# Altium PCB top_1.PcbDoc (part 1 of 5) (continued)
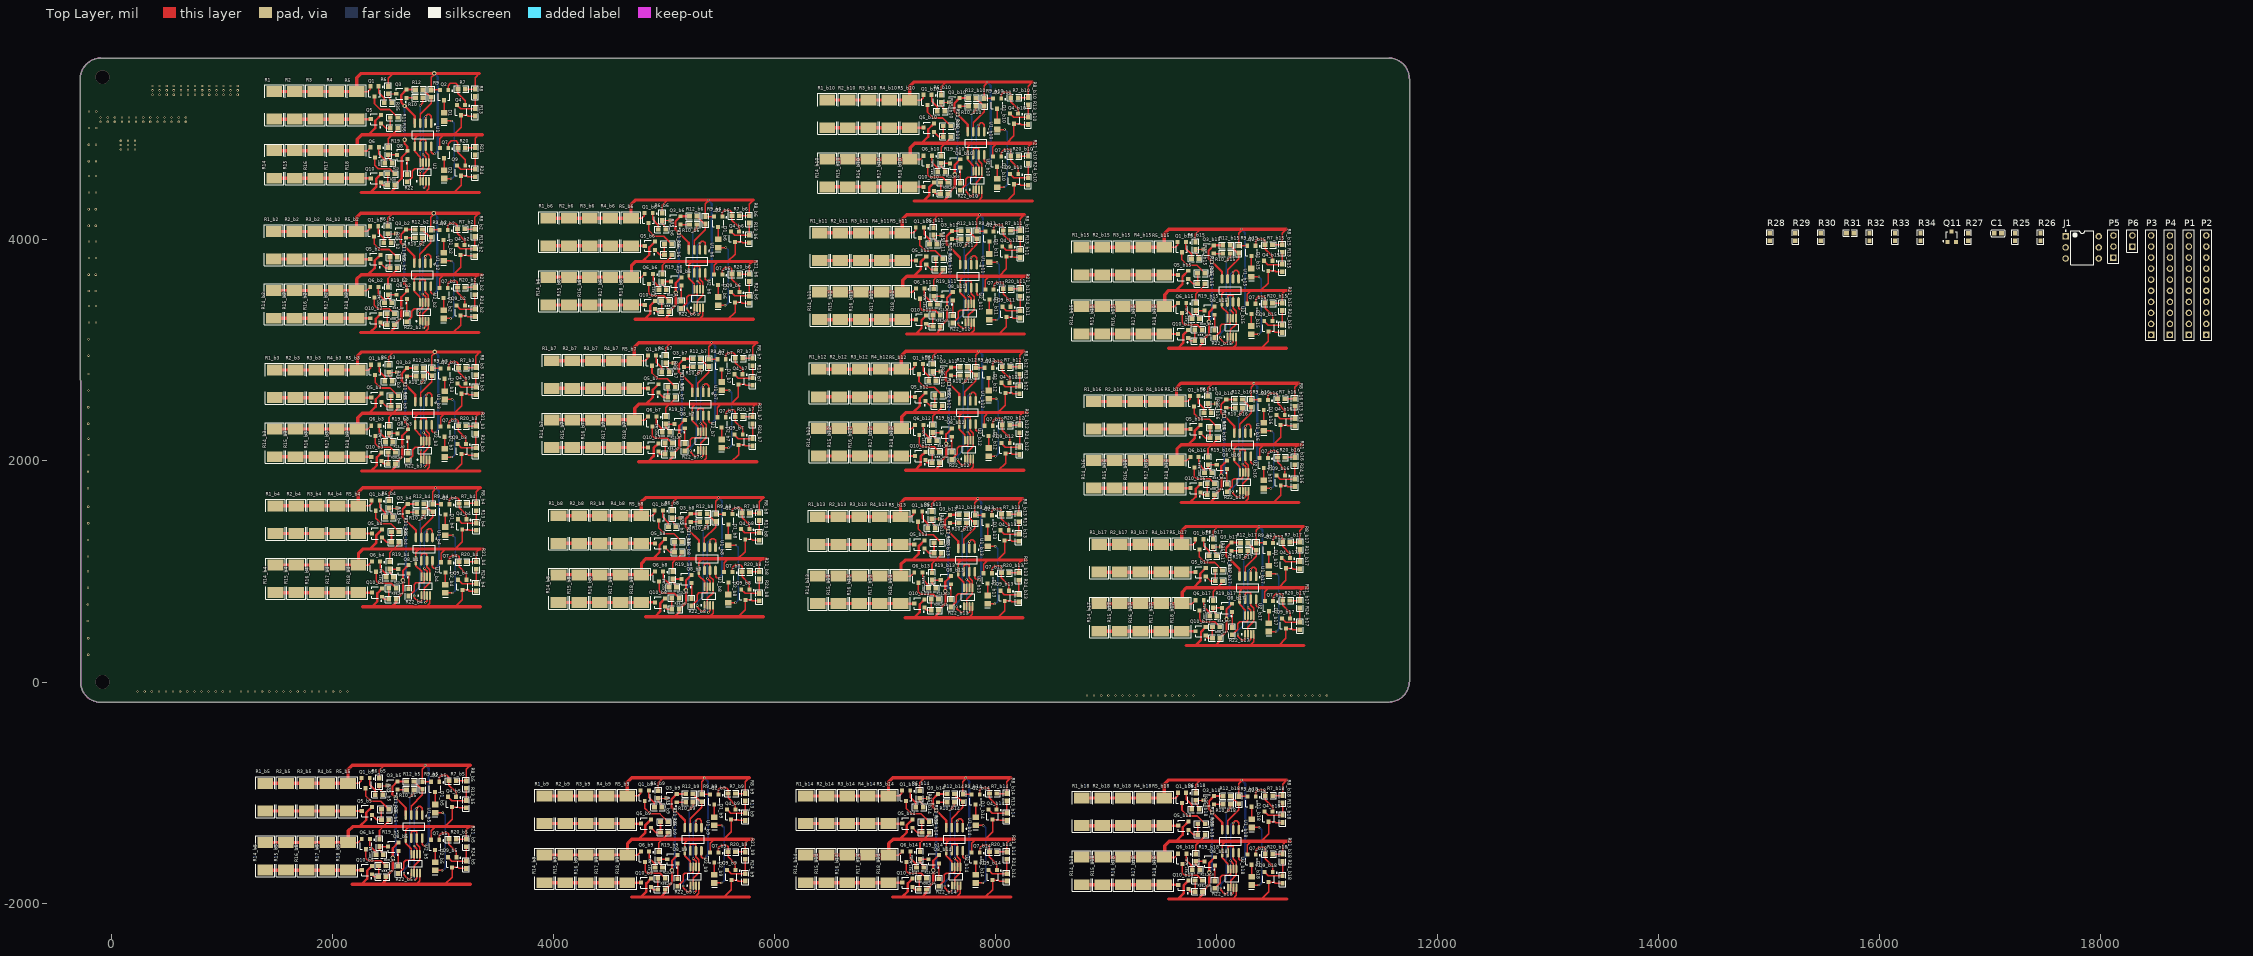
[diagram p0: Top Layer view]
## Components (designator, comment, footprint, x,y, rotation, side; value= is the part's Value field where it differs from the comment) (continued)
Q4_b15 "TL431" SOT23-3 10470,3766 r180 top (schematic designator Q4)
Q4_b16 "TL431" SOT23-3 10582,2371 r180 top (schematic designator Q4)
Q4_b17 "TL431" SOT23-3 10629,1076 r180 top (schematic designator Q4)
Q4_b18 "TL431" SOT23-3 10472,-1218 r180 top (schematic designator Q4)
Q5 "MOSFET-N" SOT23-3 2394,5093 r90 top
Q5_b2 "MOSFET-N" SOT23-3 2390,3827 r90 top (schematic designator Q5)
Q5_b3 "MOSFET-N" SOT23-3 2399,2573 r90 top (schematic designator Q5)
Q5_b4 "MOSFET-N" SOT23-3 2405,1344 r90 top (schematic designator Q5)
Q5_b5 "MOSFET-N" SOT23-3 2313,-1167 r90 top (schematic designator Q5)
Q5_b6 "MOSFET-N" SOT23-3 4874,3947 r90 top (schematic designator Q5)
Q5_b7 "MOSFET-N" SOT23-3 4905,2657 r90 top (schematic designator Q5)
Q5_b8 "MOSFET-N" SOT23-3 4966,1255 r90 top (schematic designator Q5)
Q5_b9 "MOSFET-N" SOT23-3 4839,-1281 r90 top (schematic designator Q5)
Q5_b10 "MOSFET-N" SOT23-3 7398,5016 r90 top (schematic designator Q5)
Q5_b11 "MOSFET-N" SOT23-3 7329,3814 r90 top (schematic designator Q5)
Q5_b12 "MOSFET-N" SOT23-3 7321,2580 r90 top (schematic designator Q5)
Q5_b13 "MOSFET-N" SOT23-3 7313,1245 r90 top (schematic designator Q5)
Q5_b14 "MOSFET-N" SOT23-3 7204,-1281 r90 top (schematic designator Q5)
Q5_b15 "MOSFET-N" SOT23-3 9699,3684 r90 top (schematic designator Q5)
Q5_b16 "MOSFET-N" SOT23-3 9811,2289 r90 top (schematic designator Q5)
Q5_b17 "MOSFET-N" SOT23-3 9858,994 r90 top (schematic designator Q5)
Q5_b18 "MOSFET-N" SOT23-3 9701,-1300 r90 top (schematic designator Q5)
Q6 "MMBT3906" SOT23-3 2385,4793 r180 top
Q6_b2 "MMBT3906" SOT23-3 2381,3527 r180 top (schematic designator Q6)
Q6_b3 "MMBT3906" SOT23-3 2390,2273 r180 top (schematic designator Q6)
Q6_b4 "MMBT3906" SOT23-3 2396,1044 r180 top (schematic designator Q6)
Q6_b5 "MMBT3906" SOT23-3 2304,-1467 r180 top (schematic designator Q6)
Q6_b6 "MMBT3906" SOT23-3 4865,3647 r180 top (schematic designator Q6)
Q6_b7 "MMBT3906" SOT23-3 4896,2357 r180 top (schematic designator Q6)
Q6_b8 "MMBT3906" SOT23-3 4957,955 r180 top (schematic designator Q6)
Q6_b9 "MMBT3906" SOT23-3 4830,-1581 r180 top (schematic designator Q6)
Q6_b10 "MMBT3906" SOT23-3 7389,4716 r180 top (schematic designator Q6)
Q6_b11 "MMBT3906" SOT23-3 7320,3514 r180 top (schematic designator Q6)
Q6_b12 "MMBT3906" SOT23-3 7312,2280 r180 top (schematic designator Q6)
Q6_b13 "MMBT3906" SOT23-3 7304,945 r180 top (schematic designator Q6)
Q6_b14 "MMBT3906" SOT23-3 7195,-1581 r180 top (schematic designator Q6)
Q6_b15 "MMBT3906" SOT23-3 9690,3384 r180 top (schematic designator Q6)
Q6_b16 "MMBT3906" SOT23-3 9802,1989 r180 top (schematic designator Q6)
Q6_b17 "MMBT3906" SOT23-3 9849,694 r180 top (schematic designator Q6)
Q6_b18 "MMBT3906" SOT23-3 9692,-1600 r180 top (schematic designator Q6)
Q7 "MMBT5400" SOT23-3 3012,4786 r180 top
Q7_b2 "MMBT5400" SOT23-3 3008,3520 r180 top (schematic designator Q7)
Q7_b3 "MMBT5400" SOT23-3 3017,2266 r180 top (schematic designator Q7)
Q7_b4 "MMBT5400" SOT23-3 3023,1037 r180 top (schematic designator Q7)
Q7_b5 "MMBT5400" SOT23-3 2931,-1474 r180 top (schematic designator Q7)
Q7_b6 "MMBT5400" SOT23-3 5492,3640 r180 top (schematic designator Q7)
Q7_b7 "MMBT5400" SOT23-3 5523,2350 r180 top (schematic designator Q7)
Q7_b8 "MMBT5400" SOT23-3 5584,948 r180 top (schematic designator Q7)
Q7_b9 "MMBT5400" SOT23-3 5457,-1588 r180 top (schematic designator Q7)
Q7_b10 "MMBT5400" SOT23-3 8016,4709 r180 top (schematic designator Q7)
Q7_b11 "MMBT5400" SOT23-3 7947,3507 r180 top (schematic designator Q7)
Q7_b12 "MMBT5400" SOT23-3 7939,2273 r180 top (schematic designator Q7)
Q7_b13 "MMBT5400" SOT23-3 7931,938 r180 top (schematic designator Q7)
Q7_b14 "MMBT5400" SOT23-3 7822,-1588 r180 top (schematic designator Q7)
Q7_b15 "MMBT5400" SOT23-3 10317,3377 r180 top (schematic designator Q7)
Q7_b16 "MMBT5400" SOT23-3 10429,1982 r180 top (schematic designator Q7)
Q7_b17 "MMBT5400" SOT23-3 10476,687 r180 top (schematic designator Q7)
Q7_b18 "MMBT5400" SOT23-3 10319,-1607 r180 top (schematic designator Q7)
Q8 "MMBT3904" SOT23-3 2633,4770 r90 top
Q8_b2 "MMBT3904" SOT23-3 2629,3504 r90 top (schematic designator Q8)
Q8_b3 "MMBT3904" SOT23-3 2638,2250 r90 top (schematic designator Q8)
Q8_b4 "MMBT3904" SOT23-3 2644,1021 r90 top (schematic designator Q8)
Q8_b5 "MMBT3904" SOT23-3 2552,-1490 r90 top (schematic designator Q8)
Q8_b6 "MMBT3904" SOT23-3 5113,3624 r90 top (schematic designator Q8)
Q8_b7 "MMBT3904" SOT23-3 5144,2334 r90 top (schematic designator Q8)
Q8_b8 "MMBT3904" SOT23-3 5205,932 r90 top (schematic designator Q8)
Q8_b9 "MMBT3904" SOT23-3 5078,-1604 r90 top (schematic designator Q8)
Q8_b10 "MMBT3904" SOT23-3 7637,4693 r90 top (schematic designator Q8)
Q8_b11 "MMBT3904" SOT23-3 7568,3491 r90 top (schematic designator Q8)
Q8_b12 "MMBT3904" SOT23-3 7560,2257 r90 top (schematic designator Q8)
Q8_b13 "MMBT3904" SOT23-3 7552,922 r90 top (schematic designator Q8)
Q8_b14 "MMBT3904" SOT23-3 7443,-1604 r90 top (schematic designator Q8)
Q8_b15 "MMBT3904" SOT23-3 9938,3361 r90 top (schematic designator Q8)
Q8_b16 "MMBT3904" SOT23-3 10050,1966 r90 top (schematic designator Q8)
Q8_b17 "MMBT3904" SOT23-3 10097,671 r90 top (schematic designator Q8)
Q8_b18 "MMBT3904" SOT23-3 9940,-1623 r90 top (schematic designator Q8)
Q9 "TL431" SOT23-3 3166,4628 r180 top
Q9_b2 "TL431" SOT23-3 3162,3362 r180 top (schematic designator Q9)
Q9_b3 "TL431" SOT23-3 3171,2108 r180 top (schematic designator Q9)
Q9_b4 "TL431" SOT23-3 3177,879 r180 top (schematic designator Q9)
Q9_b5 "TL431" SOT23-3 3085,-1632 r180 top (schematic designator Q9)
Q9_b6 "TL431" SOT23-3 5646,3482 r180 top (schematic designator Q9)
Q9_b7 "TL431" SOT23-3 5677,2192 r180 top (schematic designator Q9)
Q9_b8 "TL431" SOT23-3 5738,790 r180 top (schematic designator Q9)
Q9_b9 "TL431" SOT23-3 5611,-1746 r180 top (schematic designator Q9)
Q9_b10 "TL431" SOT23-3 8170,4551 r180 top (schematic designator Q9)
Q9_b11 "TL431" SOT23-3 8101,3349 r180 top (schematic designator Q9)
Q9_b12 "TL431" SOT23-3 8093,2115 r180 top (schematic designator Q9)
Q9_b13 "TL431" SOT23-3 8085,780 r180 top (schematic designator Q9)
Q9_b14 "TL431" SOT23-3 7976,-1746 r180 top (schematic designator Q9)
Q9_b15 "TL431" SOT23-3 10471,3219 r180 top (schematic designator Q9)
Q9_b16 "TL431" SOT23-3 10583,1824 r180 top (schematic designator Q9)
Q9_b17 "TL431" SOT23-3 10630,529 r180 top (schematic designator Q9)
Q9_b18 "TL431" SOT23-3 10473,-1765 r180 top (schematic designator Q9)
Q10 "MOSFET-N" SOT23-3 2394,4558 r90 top
Q10_b2 "MOSFET-N" SOT23-3 2390,3292 r90 top (schematic designator Q10)
Q10_b3 "MOSFET-N" SOT23-3 2399,2038 r90 top (schematic designator Q10)
Q10_b4 "MOSFET-N" SOT23-3 2405,809 r90 top (schematic designator Q10)
Q10_b5 "MOSFET-N" SOT23-3 2313,-1702 r90 top (schematic designator Q10)
Q10_b6 "MOSFET-N" SOT23-3 4874,3412 r90 top (schematic designator Q10)
Q10_b7 "MOSFET-N" SOT23-3 4905,2122 r90 top (schematic designator Q10)
Q10_b8 "MOSFET-N" SOT23-3 4966,720 r90 top (schematic designator Q10)
Q10_b9 "MOSFET-N" SOT23-3 4839,-1816 r90 top (schematic designator Q10)
Q10_b10 "MOSFET-N" SOT23-3 7398,4481 r90 top (schematic designator Q10)
Q10_b11 "MOSFET-N" SOT23-3 7329,3279 r90 top (schematic designator Q10)
Q10_b12 "MOSFET-N" SOT23-3 7321,2045 r90 top (schematic designator Q10)
Q10_b13 "MOSFET-N" SOT23-3 7313,710 r90 top (schematic designator Q10)
Q10_b14 "MOSFET-N" SOT23-3 7204,-1816 r90 top (schematic designator Q10)
Q10_b15 "MOSFET-N" SOT23-3 9699,3149 r90 top (schematic designator Q10)
Q10_b16 "MOSFET-N" SOT23-3 9811,1754 r90 top (schematic designator Q10)
Q10_b17 "MOSFET-N" SOT23-3 9858,459 r90 top (schematic designator Q10)
Q10_b18 "MOSFET-N" SOT23-3 9701,-1835 r90 top (schematic designator Q10)
Q11 "NPN" SOT23-3 16654,4029.46 r0 top
R1 "Res1" 2512 1475,5218 r90 top
R1_b2 "Res1" 2512 1471,3952 r90 top (schematic designator R1)
R1_b3 "Res1" 2512 1480,2698 r90 top (schematic designator R1)
R1_b4 "Res1" 2512 1486,1469 r90 top (schematic designator R1)
R1_b5 "Res1" 2512 1394,-1042 r90 top (schematic designator R1)
R1_b6 "Res1" 2512 3955,4072 r90 top (schematic designator R1)
R1_b7 "Res1" 2512 3986,2782 r90 top (schematic designator R1)
R1_b8 "Res1" 2512 4047,1380 r90 top (schematic designator R1)
R1_b9 "Res1" 2512 3920,-1156 r90 top (schematic designator R1)
R1_b10 "Res1" 2512 6479,5141 r90 top (schematic designator R1)
R1_b11 "Res1" 2512 6410,3939 r90 top (schematic designator R1)
R1_b12 "Res1" 2512 6402,2705 r90 top (schematic designator R1)
R1_b13 "Res1" 2512 6394,1370 r90 top (schematic designator R1)
R1_b14 "Res1" 2512 6285,-1156 r90 top (schematic designator R1)
R1_b15 "Res1" 2512 8780,3809 r90 top (schematic designator R1)
R1_b16 "Res1" 2512 8892,2414 r90 top (schematic designator R1)
R1_b17 "Res1" 2512 8939,1119 r90 top (schematic designator R1)
R1_b18 "Res1" 2512 8782,-1175 r90 top (schematic designator R1)
R2 "Res1" 2512 1662,5218 r90 top
R2_b2 "Res1" 2512 1658,3952 r90 top (schematic designator R2)
R2_b3 "Res1" 2512 1667,2698 r90 top (schematic designator R2)
R2_b4 "Res1" 2512 1673,1469 r90 top (schematic designator R2)
R2_b5 "Res1" 2512 1581,-1042 r90 top (schematic designator R2)
R2_b6 "Res1" 2512 4142,4072 r90 top (schematic designator R2)
R2_b7 "Res1" 2512 4173,2782 r90 top (schematic designator R2)
R2_b8 "Res1" 2512 4234,1380 r90 top (schematic designator R2)
R2_b9 "Res1" 2512 4107,-1156 r90 top (schematic designator R2)
R2_b10 "Res1" 2512 6666,5141 r90 top (schematic designator R2)
R2_b11 "Res1" 2512 6597,3939 r90 top (schematic designator R2)
R2_b12 "Res1" 2512 6589,2705 r90 top (schematic designator R2)
R2_b13 "Res1" 2512 6581,1370 r90 top (schematic designator R2)
R2_b14 "Res1" 2512 6472,-1156 r90 top (schematic designator R2)
R2_b15 "Res1" 2512 8967,3809 r90 top (schematic designator R2)
R2_b16 "Res1" 2512 9079,2414 r90 top (schematic designator R2)
R2_b17 "Res1" 2512 9126,1119 r90 top (schematic designator R2)
R2_b18 "Res1" 2512 8969,-1175 r90 top (schematic designator R2)
R3 "Res1" 2512 1849,5218 r90 top
R3_b2 "Res1" 2512 1845,3952 r90 top (schematic designator R3)
R3_b3 "Res1" 2512 1854,2698 r90 top (schematic designator R3)
R3_b4 "Res1" 2512 1860,1469 r90 top (schematic designator R3)
R3_b5 "Res1" 2512 1768,-1042 r90 top (schematic designator R3)
R3_b6 "Res1" 2512 4329,4072 r90 top (schematic designator R3)
R3_b7 "Res1" 2512 4360,2782 r90 top (schematic designator R3)
R3_b8 "Res1" 2512 4421,1380 r90 top (schematic designator R3)
R3_b9 "Res1" 2512 4294,-1156 r90 top (schematic designator R3)
R3_b10 "Res1" 2512 6853,5141 r90 top (schematic designator R3)
R3_b11 "Res1" 2512 6784,3939 r90 top (schematic designator R3)
R3_b12 "Res1" 2512 6776,2705 r90 top (schematic designator R3)
R3_b13 "Res1" 2512 6768,1370 r90 top (schematic designator R3)
R3_b14 "Res1" 2512 6659,-1156 r90 top (schematic designator R3)
R3_b15 "Res1" 2512 9154,3809 r90 top (schematic designator R3)
R3_b16 "Res1" 2512 9266,2414 r90 top (schematic designator R3)
R3_b17 "Res1" 2512 9313,1119 r90 top (schematic designator R3)
R3_b18 "Res1" 2512 9156,-1175 r90 top (schematic designator R3)
R4 "Res1" 2512 2036,5218 r90 top
R4_b2 "Res1" 2512 2032,3952 r90 top (schematic designator R4)
R4_b3 "Res1" 2512 2041,2698 r90 top (schematic designator R4)
R4_b4 "Res1" 2512 2047,1469 r90 top (schematic designator R4)
R4_b5 "Res1" 2512 1955,-1042 r90 top (schematic designator R4)
R4_b6 "Res1" 2512 4516,4072 r90 top (schematic designator R4)
R4_b7 "Res1" 2512 4547,2782 r90 top (schematic designator R4)
R4_b8 "Res1" 2512 4608,1380 r90 top (schematic designator R4)
R4_b9 "Res1" 2512 4481,-1156 r90 top (schematic designator R4)
R4_b10 "Res1" 2512 7040,5141 r90 top (schematic designator R4)
R4_b11 "Res1" 2512 6971,3939 r90 top (schematic designator R4)
R4_b12 "Res1" 2512 6963,2705 r90 top (schematic designator R4)
R4_b13 "Res1" 2512 6955,1370 r90 top (schematic designator R4)
R4_b14 "Res1" 2512 6846,-1156 r90 top (schematic designator R4)
R4_b15 "Res1" 2512 9341,3809 r90 top (schematic designator R4)
R4_b16 "Res1" 2512 9453,2414 r90 top (schematic designator R4)
R4_b17 "Res1" 2512 9500,1119 r90 top (schematic designator R4)
R4_b18 "Res1" 2512 9343,-1175 r90 top (schematic designator R4)
R5 "Res1" 2512 2223,5218 r90 top
R5_b2 "Res1" 2512 2219,3952 r90 top (schematic designator R5)
R5_b3 "Res1" 2512 2228,2698 r90 top (schematic designator R5)
R5_b4 "Res1" 2512 2234,1469 r90 top (schematic designator R5)
R5_b5 "Res1" 2512 2142,-1042 r90 top (schematic designator R5)
R5_b6 "Res1" 2512 4703,4072 r90 top (schematic designator R5)
R5_b7 "Res1" 2512 4734,2782 r90 top (schematic designator R5)
R5_b8 "Res1" 2512 4795,1380 r90 top (schematic designator R5)
R5_b9 "Res1" 2512 4668,-1156 r90 top (schematic designator R5)
R5_b10 "Res1" 2512 7227,5141 r90 top (schematic designator R5)
R5_b11 "Res1" 2512 7158,3939 r90 top (schematic designator R5)
R5_b12 "Res1" 2512 7150,2705 r90 top (schematic designator R5)
R5_b13 "Res1" 2512 7142,1370 r90 top (schematic designator R5)
R5_b14 "Res1" 2512 7033,-1156 r90 top (schematic designator R5)
R5_b15 "Res1" 2512 9528,3809 r90 top (schematic designator R5)
R5_b16 "Res1" 2512 9640,2414 r90 top (schematic designator R5)
R5_b17 "Res1" 2512 9687,1119 r90 top (schematic designator R5)
R5_b18 "Res1" 2512 9530,-1175 r90 top (schematic designator R5)
R6 "Res1" 0603-1 2506,5356.46 r90 top
R6_b2 "Res1" 0603-1 2502,4090.46 r90 top (schematic designator R6)
R6_b3 "Res1" 0603-1 2511,2836.46 r90 top (schematic designator R6)
R6_b4 "Res1" 0603-1 2517,1607.46 r90 top (schematic designator R6)
R6_b5 "Res1" 0603-1 2425,-903.54 r90 top (schematic designator R6)
R6_b6 "Res1" 0603-1 4986,4210.46 r90 top (schematic designator R6)
R6_b7 "Res1" 0603-1 5017,2920.46 r90 top (schematic designator R6)
R6_b8 "Res1" 0603-1 5078,1518.46 r90 top (schematic designator R6)
R6_b9 "Res1" 0603-1 4951,-1017.54 r90 top (schematic designator R6)
R6_b10 "Res1" 0603-1 7510,5279.46 r90 top (schematic designator R6)
R6_b11 "Res1" 0603-1 7441,4077.46 r90 top (schematic designator R6)
R6_b12 "Res1" 0603-1 7433,2843.46 r90 top (schematic designator R6)
R6_b13 "Res1" 0603-1 7425,1508.46 r90 top (schematic designator R6)
R6_b14 "Res1" 0603-1 7316,-1017.54 r90 top (schematic designator R6)
R6_b15 "Res1" 0603-1 9811,3947.46 r90 top (schematic designator R6)
R6_b16 "Res1" 0603-1 9923,2552.46 r90 top (schematic designator R6)
R6_b17 "Res1" 0603-1 9970,1257.46 r90 top (schematic designator R6)
R6_b18 "Res1" 0603-1 9813,-1036.54 r90 top (schematic designator R6)
R7 "Res1" 0603-1 3170,5365 r0 top
R7_b2 "Res1" 0603-1 3166,4099 r0 top (schematic designator R7)
R7_b3 "Res1" 0603-1 3175,2845 r0 top (schematic designator R7)
R7_b4 "Res1" 0603-1 3181,1616 r0 top (schematic designator R7)
R7_b5 "Res1" 0603-1 3089,-895 r0 top (schematic designator R7)
R7_b6 "Res1" 0603-1 5650,4219 r0 top (schematic designator R7)
R7_b7 "Res1" 0603-1 5681,2929 r0 top (schematic designator R7)
R7_b8 "Res1" 0603-1 5742,1527 r0 top (schematic designator R7)
R7_b9 "Res1" 0603-1 5615,-1009 r0 top (schematic designator R7)
R7_b10 "Res1" 0603-1 8174,5288 r0 top (schematic designator R7)
R7_b11 "Res1" 0603-1 8105,4086 r0 top (schematic designator R7)
R7_b12 "Res1" 0603-1 8097,2852 r0 top (schematic designator R7)
R7_b13 "Res1" 0603-1 8089,1517 r0 top (schematic designator R7)
R7_b14 "Res1" 0603-1 7980,-1009 r0 top (schematic designator R7)
R7_b15 "Res1" 0603-1 10475,3956 r0 top (schematic designator R7)
R7_b16 "Res1" 0603-1 10587,2561 r0 top (schematic designator R7)
R7_b17 "Res1" 0603-1 10634,1266 r0 top (schematic designator R7)
R7_b18 "Res1" 0603-1 10477,-1028 r0 top (schematic designator R7)
R8 "Res1" 0603-1 3292,5332 r90 top
R8_b2 "Res1" 0603-1 3288,4066 r90 top (schematic designator R8)
R8_b3 "Res1" 0603-1 3297,2812 r90 top (schematic designator R8)
R8_b4 "Res1" 0603-1 3303,1583 r90 top (schematic designator R8)
R8_b5 "Res1" 0603-1 3211,-928 r90 top (schematic designator R8)
R8_b6 "Res1" 0603-1 5772,4186 r90 top (schematic designator R8)
R8_b7 "Res1" 0603-1 5803,2896 r90 top (schematic designator R8)
R8_b8 "Res1" 0603-1 5864,1494 r90 top (schematic designator R8)
R8_b9 "Res1" 0603-1 5737,-1042 r90 top (schematic designator R8)
R8_b10 "Res1" 0603-1 8296,5255 r90 top (schematic designator R8)
R8_b11 "Res1" 0603-1 8227,4053 r90 top (schematic designator R8)
R8_b12 "Res1" 0603-1 8219,2819 r90 top (schematic designator R8)
R8_b13 "Res1" 0603-1 8211,1484 r90 top (schematic designator R8)
R8_b14 "Res1" 0603-1 8102,-1042 r90 top (schematic designator R8)
R8_b15 "Res1" 0603-1 10597,3923 r90 top (schematic designator R8)
R8_b16 "Res1" 0603-1 10709,2528 r90 top (schematic designator R8)
R8_b17 "Res1" 0603-1 10756,1233 r90 top (schematic designator R8)
R8_b18 "Res1" 0603-1 10599,-1061 r90 top (schematic designator R8)
R9 "Res1" 0603-1 2897,5324 r90 top
R9_b2 "Res1" 0603-1 2893,4058 r90 top (schematic designator R9)
R9_b3 "Res1" 0603-1 2902,2804 r90 top (schematic designator R9)
R9_b4 "Res1" 0603-1 2908,1575 r90 top (schematic designator R9)
R9_b5 "Res1" 0603-1 2816,-936 r90 top (schematic designator R9)
R9_b6 "Res1" 0603-1 5377,4178 r90 top (schematic designator R9)
R9_b7 "Res1" 0603-1 5408,2888 r90 top (schematic designator R9)
R9_b8 "Res1" 0603-1 5469,1486 r90 top (schematic designator R9)
R9_b9 "Res1" 0603-1 5342,-1050 r90 top (schematic designator R9)
R9_b10 "Res1" 0603-1 7901,5247 r90 top (schematic designator R9)
R9_b11 "Res1" 0603-1 7832,4045 r90 top (schematic designator R9)
R9_b12 "Res1" 0603-1 7824,2811 r90 top (schematic designator R9)
R9_b13 "Res1" 0603-1 7816,1476 r90 top (schematic designator R9)
R9_b14 "Res1" 0603-1 7707,-1050 r90 top (schematic designator R9)
R9_b15 "Res1" 0603-1 10202,3915 r90 top (schematic designator R9)
R9_b16 "Res1" 0603-1 10314,2520 r90 top (schematic designator R9)
R9_b17 "Res1" 0603-1 10361,1225 r90 top (schematic designator R9)
R9_b18 "Res1" 0603-1 10204,-1069 r90 top (schematic designator R9)
R10 "Res1" 0603-1 2786.87,5286.4 r0 top
R10_b2 "Res1" 0603-1 2782.87,4020.4 r0 top (schematic designator R10)
R10_b3 "Res1" 0603-1 2791.87,2766.4 r0 top (schematic designator R10)
R10_b4 "Res1" 0603-1 2797.87,1537.4 r0 top (schematic designator R10)
R10_b5 "Res1" 0603-1 2705.87,-973.6 r0 top (schematic designator R10)
R10_b6 "Res1" 0603-1 5266.87,4140.4 r0 top (schematic designator R10)
R10_b7 "Res1" 0603-1 5297.87,2850.4 r0 top (schematic designator R10)
R10_b8 "Res1" 0603-1 5358.87,1448.4 r0 top (schematic designator R10)
R10_b9 "Res1" 0603-1 5231.87,-1087.6 r0 top (schematic designator R10)
R10_b10 "Res1" 0603-1 7790.87,5209.4 r0 top (schematic designator R10)
R10_b11 "Res1" 0603-1 7721.87,4007.4 r0 top (schematic designator R10)
R10_b12 "Res1" 0603-1 7713.87,2773.4 r0 top (schematic designator R10)
R10_b13 "Res1" 0603-1 7705.87,1438.4 r0 top (schematic designator R10)
R10_b14 "Res1" 0603-1 7596.87,-1087.6 r0 top (schematic designator R10)
R10_b15 "Res1" 0603-1 10091.87,3877.4 r0 top (schematic designator R10)
R10_b16 "Res1" 0603-1 10203.87,2482.4 r0 top (schematic designator R10)
R10_b17 "Res1" 0603-1 10250.87,1187.4 r0 top (schematic designator R10)
R10_b18 "Res1" 0603-1 10093.87,-1106.6 r0 top (schematic designator R10)
R11 "Res1" 0603-1 2559,5108.46 r0 top
R11_b2 "Res1" 0603-1 2555,3842.46 r0 top (schematic designator R11)
R11_b3 "Res1" 0603-1 2564,2588.46 r0 top (schematic designator R11)
R11_b4 "Res1" 0603-1 2570,1359.46 r0 top (schematic designator R11)
R11_b5 "Res1" 0603-1 2478,-1151.54 r0 top (schematic designator R11)
R11_b6 "Res1" 0603-1 5039,3962.46 r0 top (schematic designator R11)
R11_b7 "Res1" 0603-1 5070,2672.46 r0 top (schematic designator R11)
R11_b8 "Res1" 0603-1 5131,1270.46 r0 top (schematic designator R11)
R11_b9 "Res1" 0603-1 5004,-1265.54 r0 top (schematic designator R11)
R11_b10 "Res1" 0603-1 7563,5031.46 r0 top (schematic designator R11)
R11_b11 "Res1" 0603-1 7494,3829.46 r0 top (schematic designator R11)
R11_b12 "Res1" 0603-1 7486,2595.46 r0 top (schematic designator R11)
R11_b13 "Res1" 0603-1 7478,1260.46 r0 top (schematic designator R11)
R11_b14 "Res1" 0603-1 7369,-1265.54 r0 top (schematic designator R11)
R11_b15 "Res1" 0603-1 9864,3699.46 r0 top (schematic designator R11)
R11_b16 "Res1" 0603-1 9976,2304.46 r0 top (schematic designator R11)
R11_b17 "Res1" 0603-1 10023,1009.46 r0 top (schematic designator R11)
R11_b18 "Res1" 0603-1 9866,-1284.54 r0 top (schematic designator R11)
R12 "Res1" 0603-1 2786.87,5360.4 r0 top
R12_b2 "Res1" 0603-1 2782.87,4094.4 r0 top (schematic designator R12)
R12_b3 "Res1" 0603-1 2791.87,2840.4 r0 top (schematic designator R12)
R12_b4 "Res1" 0603-1 2797.87,1611.4 r0 top (schematic designator R12)
R12_b5 "Res1" 0603-1 2705.87,-899.6 r0 top (schematic designator R12)
R12_b6 "Res1" 0603-1 5266.87,4214.4 r0 top (schematic designator R12)
R12_b7 "Res1" 0603-1 5297.87,2924.4 r0 top (schematic designator R12)
R12_b8 "Res1" 0603-1 5358.87,1522.4 r0 top (schematic designator R12)
R12_b9 "Res1" 0603-1 5231.87,-1013.6 r0 top (schematic designator R12)
R12_b10 "Res1" 0603-1 7790.87,5283.4 r0 top (schematic designator R12)
R12_b11 "Res1" 0603-1 7721.87,4081.4 r0 top (schematic designator R12)
R12_b12 "Res1" 0603-1 7713.87,2847.4 r0 top (schematic designator R12)
R12_b13 "Res1" 0603-1 7705.87,1512.4 r0 top (schematic designator R12)
R12_b14 "Res1" 0603-1 7596.87,-1013.6 r0 top (schematic designator R12)
R12_b15 "Res1" 0603-1 10091.87,3951.4 r0 top (schematic designator R12)
R12_b16 "Res1" 0603-1 10203.87,2556.4 r0 top (schematic designator R12)
R12_b17 "Res1" 0603-1 10250.87,1261.4 r0 top (schematic designator R12)
R12_b18 "Res1" 0603-1 10093.87,-1032.6 r0 top (schematic designator R12)
R13 "Res1" 0603-1 3292,5155 r90 top
R13_b2 "Res1" 0603-1 3288,3889 r90 top (schematic designator R13)
R13_b3 "Res1" 0603-1 3297,2635 r90 top (schematic designator R13)
R13_b4 "Res1" 0603-1 3303,1406 r90 top (schematic designator R13)
R13_b5 "Res1" 0603-1 3211,-1105 r90 top (schematic designator R13)
R13_b6 "Res1" 0603-1 5772,4009 r90 top (schematic designator R13)
R13_b7 "Res1" 0603-1 5803,2719 r90 top (schematic designator R13)
R13_b8 "Res1" 0603-1 5864,1317 r90 top (schematic designator R13)
R13_b9 "Res1" 0603-1 5737,-1219 r90 top (schematic designator R13)
R13_b10 "Res1" 0603-1 8296,5078 r90 top (schematic designator R13)
R13_b11 "Res1" 0603-1 8227,3876 r90 top (schematic designator R13)
R13_b12 "Res1" 0603-1 8219,2642 r90 top (schematic designator R13)
R13_b13 "Res1" 0603-1 8211,1307 r90 top (schematic designator R13)
R13_b14 "Res1" 0603-1 8102,-1219 r90 top (schematic designator R13)
R13_b15 "Res1" 0603-1 10597,3746 r90 top (schematic designator R13)
R13_b16 "Res1" 0603-1 10709,2351 r90 top (schematic designator R13)
R13_b17 "Res1" 0603-1 10756,1056 r90 top (schematic designator R13)
R13_b18 "Res1" 0603-1 10599,-1238 r90 top (schematic designator R13)
R14 "Res1" 2512 1475,4683 r90 top
R14_b2 "Res1" 2512 1471,3417 r90 top (schematic designator R14)
R14_b3 "Res1" 2512 1480,2163 r90 top (schematic designator R14)
R14_b4 "Res1" 2512 1486,934 r90 top (schematic designator R14)
R14_b5 "Res1" 2512 1394,-1577 r90 top (schematic designator R14)
R14_b6 "Res1" 2512 3955,3537 r90 top (schematic designator R14)
R14_b7 "Res1" 2512 3986,2247 r90 top (schematic designator R14)
R14_b8 "Res1" 2512 4047,845 r90 top (schematic designator R14)
R14_b9 "Res1" 2512 3920,-1691 r90 top (schematic designator R14)
R14_b10 "Res1" 2512 6479,4606 r90 top (schematic designator R14)
R14_b11 "Res1" 2512 6410,3404 r90 top (schematic designator R14)
R14_b12 "Res1" 2512 6402,2170 r90 top (schematic designator R14)
R14_b13 "Res1" 2512 6394,835 r90 top (schematic designator R14)
R14_b14 "Res1" 2512 6285,-1691 r90 top (schematic designator R14)
R14_b15 "Res1" 2512 8780,3274 r90 top (schematic designator R14)
R14_b16 "Res1" 2512 8892,1879 r90 top (schematic designator R14)
R14_b17 "Res1" 2512 8939,584 r90 top (schematic designator R14)
R14_b18 "Res1" 2512 8782,-1710 r90 top (schematic designator R14)
R15 "Res1" 2512 1662,4683 r90 top
R15_b2 "Res1" 2512 1658,3417 r90 top (schematic designator R15)
R15_b3 "Res1" 2512 1667,2163 r90 top (schematic designator R15)
R15_b4 "Res1" 2512 1673,934 r90 top (schematic designator R15)
R15_b5 "Res1" 2512 1581,-1577 r90 top (schematic designator R15)
R15_b6 "Res1" 2512 4142,3537 r90 top (schematic designator R15)
R15_b7 "Res1" 2512 4173,2247 r90 top (schematic designator R15)
R15_b8 "Res1" 2512 4234,845 r90 top (schematic designator R15)
R15_b9 "Res1" 2512 4107,-1691 r90 top (schematic designator R15)
R15_b10 "Res1" 2512 6666,4606 r90 top (schematic designator R15)
R15_b11 "Res1" 2512 6597,3404 r90 top (schematic designator R15)
R15_b12 "Res1" 2512 6589,2170 r90 top (schematic designator R15)
R15_b13 "Res1" 2512 6581,835 r90 top (schematic designator R15)
R15_b14 "Res1" 2512 6472,-1691 r90 top (schematic designator R15)
R15_b15 "Res1" 2512 8967,3274 r90 top (schematic designator R15)
R15_b16 "Res1" 2512 9079,1879 r90 top (schematic designator R15)
R15_b17 "Res1" 2512 9126,584 r90 top (schematic designator R15)
R15_b18 "Res1" 2512 8969,-1710 r90 top (schematic designator R15)
R16 "Res1" 2512 1849,4683 r90 top
R16_b2 "Res1" 2512 1845,3417 r90 top (schematic designator R16)
R16_b3 "Res1" 2512 1854,2163 r90 top (schematic designator R16)
R16_b4 "Res1" 2512 1860,934 r90 top (schematic designator R16)
R16_b5 "Res1" 2512 1768,-1577 r90 top (schematic designator R16)
R16_b6 "Res1" 2512 4329,3537 r90 top (schematic designator R16)
R16_b7 "Res1" 2512 4360,2247 r90 top (schematic designator R16)
R16_b8 "Res1" 2512 4421,845 r90 top (schematic designator R16)
R16_b9 "Res1" 2512 4294,-1691 r90 top (schematic designator R16)
R16_b10 "Res1" 2512 6853,4606 r90 top (schematic designator R16)
R16_b11 "Res1" 2512 6784,3404 r90 top (schematic designator R16)
R16_b12 "Res1" 2512 6776,2170 r90 top (schematic designator R16)
R16_b13 "Res1" 2512 6768,835 r90 top (schematic designator R16)
R16_b14 "Res1" 2512 6659,-1691 r90 top (schematic designator R16)
R16_b15 "Res1" 2512 9154,3274 r90 top (schematic designator R16)
R16_b16 "Res1" 2512 9266,1879 r90 top (schematic designator R16)
R16_b17 "Res1" 2512 9313,584 r90 top (schematic designator R16)
R16_b18 "Res1" 2512 9156,-1710 r90 top (schematic designator R16)
R17 "Res1" 2512 2036,4683 r90 top
R17_b2 "Res1" 2512 2032,3417 r90 top (schematic designator R17)
R17_b3 "Res1" 2512 2041,2163 r90 top (schematic designator R17)
R17_b4 "Res1" 2512 2047,934 r90 top (schematic designator R17)
R17_b5 "Res1" 2512 1955,-1577 r90 top (schematic designator R17)
R17_b6 "Res1" 2512 4516,3537 r90 top (schematic designator R17)
R17_b7 "Res1" 2512 4547,2247 r90 top (schematic designator R17)
R17_b8 "Res1" 2512 4608,845 r90 top (schematic designator R17)
R17_b9 "Res1" 2512 4481,-1691 r90 top (schematic designator R17)
R17_b10 "Res1" 2512 7040,4606 r90 top (schematic designator R17)
R17_b11 "Res1" 2512 6971,3404 r90 top (schematic designator R17)
R17_b12 "Res1" 2512 6963,2170 r90 top (schematic designator R17)
R17_b13 "Res1" 2512 6955,835 r90 top (schematic designator R17)
R17_b14 "Res1" 2512 6846,-1691 r90 top (schematic designator R17)
R17_b15 "Res1" 2512 9341,3274 r90 top (schematic designator R17)
R17_b16 "Res1" 2512 9453,1879 r90 top (schematic designator R17)
R17_b17 "Res1" 2512 9500,584 r90 top (schematic designator R17)
R17_b18 "Res1" 2512 9343,-1710 r90 top (schematic designator R17)
R18 "Res1" 2512 2223,4683 r90 top
R18_b2 "Res1" 2512 2219,3417 r90 top (schematic designator R18)
R18_b3 "Res1" 2512 2228,2163 r90 top (schematic designator R18)
R18_b4 "Res1" 2512 2234,934 r90 top (schematic designator R18)
R18_b5 "Res1" 2512 2142,-1577 r90 top (schematic designator R18)
R18_b6 "Res1" 2512 4703,3537 r90 top (schematic designator R18)
R18_b7 "Res1" 2512 4734,2247 r90 top (schematic designator R18)
R18_b8 "Res1" 2512 4795,845 r90 top (schematic designator R18)
R18_b9 "Res1" 2512 4668,-1691 r90 top (schematic designator R18)
R18_b10 "Res1" 2512 7227,4606 r90 top (schematic designator R18)
R18_b11 "Res1" 2512 7158,3404 r90 top (schematic designator R18)
R18_b12 "Res1" 2512 7150,2170 r90 top (schematic designator R18)
R18_b13 "Res1" 2512 7142,835 r90 top (schematic designator R18)
R18_b14 "Res1" 2512 7033,-1691 r90 top (schematic designator R18)
R18_b15 "Res1" 2512 9528,3274 r90 top (schematic designator R18)
R18_b16 "Res1" 2512 9640,1879 r90 top (schematic designator R18)
R18_b17 "Res1" 2512 9687,584 r90 top (schematic designator R18)
R18_b18 "Res1" 2512 9530,-1710 r90 top (schematic designator R18)
R19 "Res1" 0603-1 2508,4804 r90 top
R19_b2 "Res1" 0603-1 2504,3538 r90 top (schematic designator R19)
R19_b3 "Res1" 0603-1 2513,2284 r90 top (schematic designator R19)
R19_b4 "Res1" 0603-1 2519,1055 r90 top (schematic designator R19)
R19_b5 "Res1" 0603-1 2427,-1456 r90 top (schematic designator R19)
R19_b6 "Res1" 0603-1 4988,3658 r90 top (schematic designator R19)
R19_b7 "Res1" 0603-1 5019,2368 r90 top (schematic designator R19)
R19_b8 "Res1" 0603-1 5080,966 r90 top (schematic designator R19)
R19_b9 "Res1" 0603-1 4953,-1570 r90 top (schematic designator R19)
R19_b10 "Res1" 0603-1 7512,4727 r90 top (schematic designator R19)
R19_b11 "Res1" 0603-1 7443,3525 r90 top (schematic designator R19)
R19_b12 "Res1" 0603-1 7435,2291 r90 top (schematic designator R19)
R19_b13 "Res1" 0603-1 7427,956 r90 top (schematic designator R19)
R19_b14 "Res1" 0603-1 7318,-1570 r90 top (schematic designator R19)
R19_b15 "Res1" 0603-1 9813,3395 r90 top (schematic designator R19)